# Altium PCB PCB.PcbDoc (part 2 of 2) (continued)
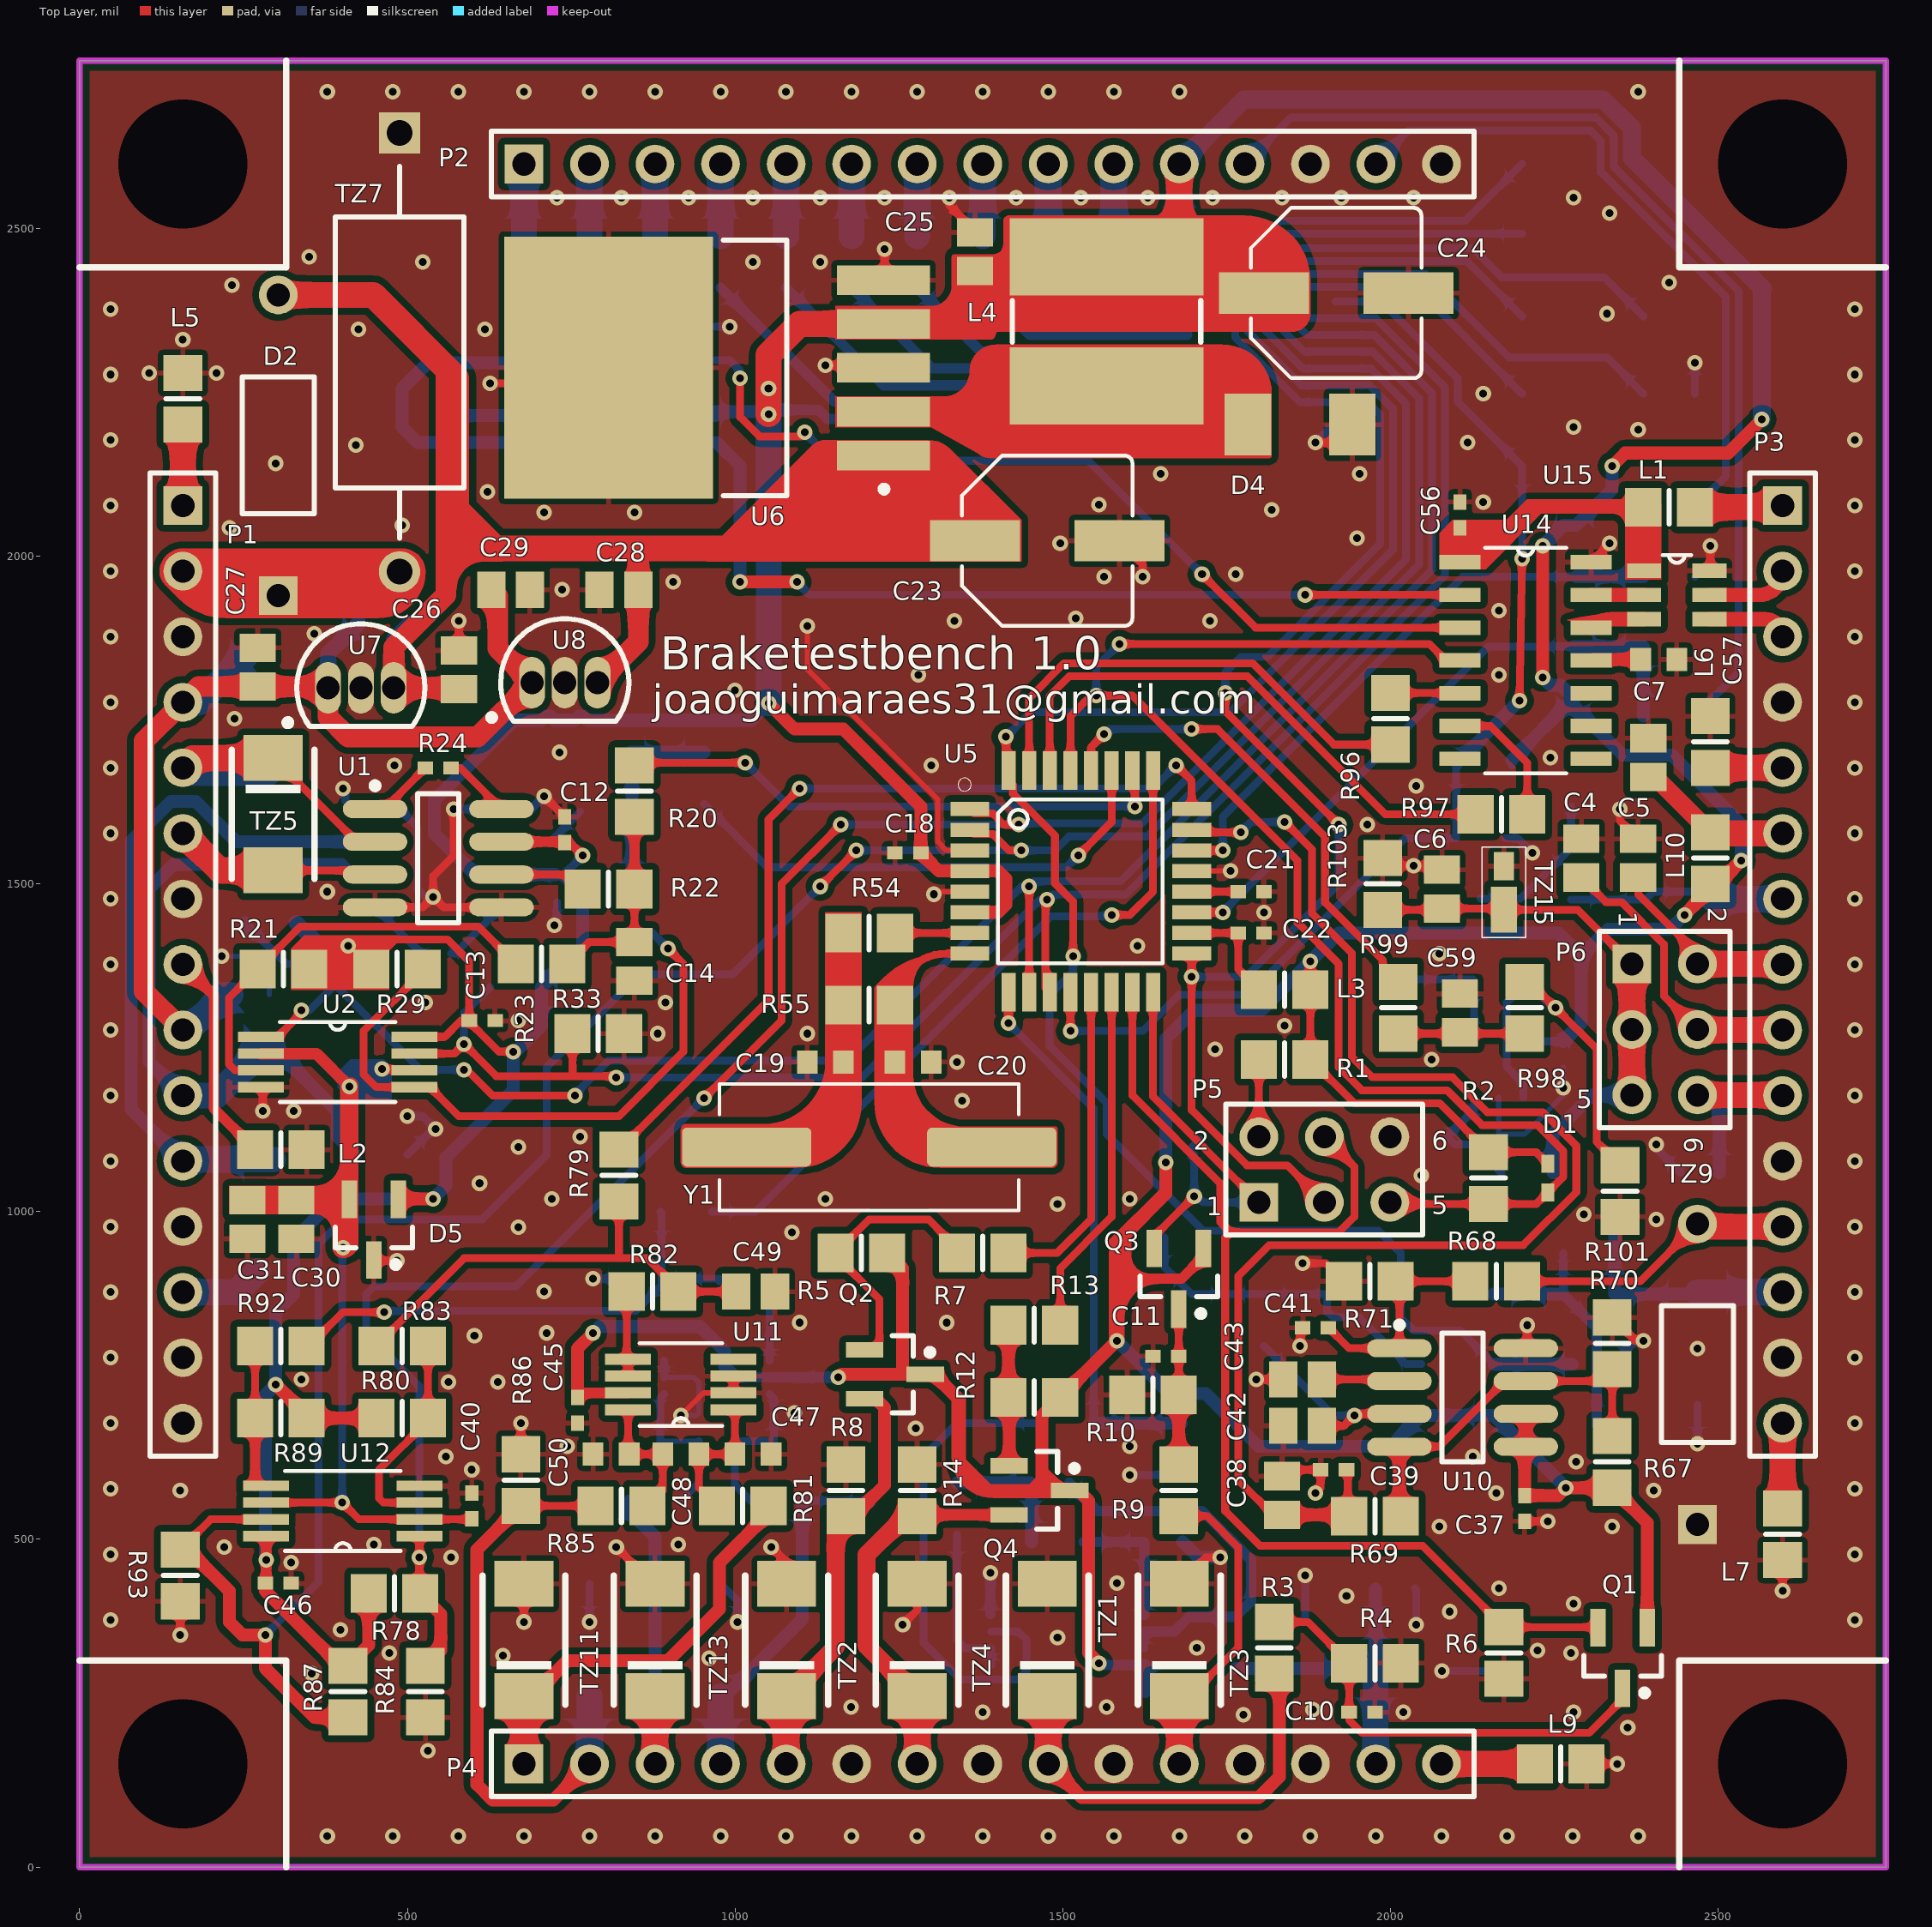
[diagram p0: Top Layer view]
## Nets (pads, with @x,y where several pads share a name; then routed paths per layer and width w, separated by ;. In a path a pad name is that pad's centre, name@x,y a point inside that pad or via, vN(x,y) a via of type N, cw(c..) or ccw(c..) an arc to the next point about the centre after c; other vN are vias at no path point) (continued)
  Bottom Layer w39.37: TZ10.C@2468.5,877.05 P3.13@2598.31,877.05
NetP4_1: P4.1 R81.1 TZ11.C | length 645.2
  Top Layer w11.81: TZ11.C@677.95,260.75 TZ11.C@689.88,260.75
  Top Layer w19.68: TZ11.C@689.88,260.75 744.09,314.96 897.64,314.96 976.38,393.7 976.38,464.57 1051.18,539.37 R81.1@1051.18,551.18
  Top Layer w39.37: P4.1@677.95,157.48 TZ11.C@677.95,260.75
NetP4_2: P4.2 R85.1 R86.2 TZ12.A | length 874.6
  Top Layer w11.81: R86.2@673.23,551.18 R85.1@787.4,551.18
  Top Layer w19.68: R86.2@673.23,551.18 606.3,484.25 606.3,125.98 629.92,102.36 722.83,102.36 P4.2@777.95,157.48
  Bottom Layer w39.37: P4.2@777.95,157.48 TZ12.A@777.95,260.75
NetP4_3: P4.3 R90.1 TZ13.C | length 521.2
  Top Layer w39.37: P4.3@877.95,157.48 TZ13.C@877.95,260.75
  Bottom Layer w19.68: R90.1@838.58,559.06 838.58,543.31 877.95,503.94 P4.3@877.95,157.48
NetP4_4: P4.4 R94.1 R95.2 TZ14.A | length 565.3
  Bottom Layer w11.81: TZ14.A@977.95,260.75 TZ14.A@985.16,260.75 ; R94.1@1102.36,559.06 1204.72,559.06 R95.2@1208.66,555.12
  Bottom Layer w19.68: TZ14.A@985.16,260.75 1102.36,377.95 R94.1@1102.36,559.06
  Bottom Layer w39.37: P4.4@977.95,157.48 TZ14.A@977.95,260.75
NetP4_5: P4.5 Q2.2 R8.2 TZ2.C | length 650
  Top Layer w11.81: P4.5@1077.95,157.48 ccw(c1077.95,158.27) P4.5@1078.74,158.27 ; TZ2.C@1077.95,259.96 TZ2.C@1078.74,260.75 ; R8.2@1153.54,519.68 R8.2@1169.29,535.43 R8.2@1181.1,535.43 ; Q2.2@1197.83,714.57 Q2.2@1214.57,714.57
  Top Layer w19.68: R8.2@1181.1,535.43 1228.35,582.68 1228.35,700.79 Q2.2@1214.57,714.57
  Top Layer w27.56: TZ2.C@1078.74,260.75 1153.54,335.55 R8.2@1153.54,519.68
  Top Layer w39.37: P4.5@1077.95,157.48 TZ2.C@1077.95,259.96
NetP4_7: P4.7 Q4.2 R14.2 TZ4.C | length 593.6
  Top Layer w17.72: R14.2@1277.95,535.43 1279.92,537.4 Q4.2@1418.31,537.4
  Top Layer w27.56: TZ4.C@1277.95,260.75 1200.91,337.79 1200.91,476.5 1259.84,535.43 R14.2@1277.95,535.43
  Top Layer w39.37: P4.7@1277.95,157.48 TZ4.C@1277.95,260.75
NetP4_9: P4.9 R3.1 TZ1.C | length 660.5
  Top Layer w11.81: TZ1.C@1477.95,259.17 TZ1.C@1476.38,260.75 TZ1.C@1485.16,260.75
  Top Layer w19.68: P4.9@1477.95,157.48 1529.13,106.3 1799.21,106.3 1830.68,137.76 1830.58,137.86 1830.58,177.1 1830.71,177.23 1830.71,287.4 R3.1@1822.83,295.28
  Top Layer w39.37: P4.9@1477.95,157.48 TZ1.C@1477.95,259.17
NetP4_11: P4.11 R9.1 TZ3.C | length 487.3
  Top Layer w11.81: R9.1@1677.17,535.43 1720.47,535.43 1767.72,488.19 1767.72,334.65 1693.82,260.75 TZ3.C@1677.95,260.75
  Top Layer w39.37: P4.11@1677.95,157.48 TZ3.C@1677.95,260.75
NetP5_1: P5.1 Q3.2 R11.2 U5.16 | length 691.1
  Top Layer w11.81: U5.16@1637.8,1334.65 1637.8,1175.59 P5.1@1799.21,1014.17 ; Q3.2@1639.76,943.9 1639.76,962.6 v1(1700.78,1023.62)
  Bottom Layer w11.81: R11.2@1708.66,1110.24 1692.91,1094.49 1700.78,1086.62 v1(1700.78,1023.62) 1704.73,1023.62 1712.6,1015.75 1714.17,1014.17 P5.1@1799.21,1014.17
NetP5_2: P5.2 R1.1 | length 118.1
  Top Layer w11.81: P5.2@1799.21,1114.17 R1.1@1799.21,1232.28
NetP5_3: P5.3 R48.2 U4.7 U5.17 | length 2572.7
  Top Layer w11.81: U5.17@1696.85,1393.7 1696.85,1155.11 1781.22,1070.74 1842.65,1070.74 P5.3@1899.21,1014.17 ; v1(1748.04,1791.34) 1748.04,1763.78 v1(1921.26,1590.55)
  Bottom Layer w11.81: v1(1696.85,1358.27) 1779.53,1358.27 1921.26,1500 v1(1921.26,1590.55) ; v1(1748.04,1791.34) 1748.04,1822.83 1771.53,1846.33 1811.83,1846.33 1984.25,2018.75 1984.25,2216.54 1965.55,2235.24 U4.7@1916.15,2235.24 1861.82,2235.24 1763.15,2333.9 1763.15,2442.53 1832.56,2511.94 2114.3,2511.94 R48.2@2200.79,2598.43
NetP5_4: P5.4 Q1.2 R6.2 U5.15 | length 1839.1
  Top Layer w11.81: U5.15@1606.3,1334.65 1606.3,1177.17 1740.16,1043.31 1740.16,984.25 1755.91,968.5 ; P5.4@1899.21,1114.17 1944.88,1068.5 1944.88,992.13 1921.26,968.5 1755.91,968.5 ; Q1.2@2316.93,365.16 2315.94,366.14 R6.2@2173.23,366.14 2049.07,490.3 1801.04,490.3 1747.91,543.43 1747.91,960.5 1755.91,968.5
NetQ2_3: Q2.3 R5.1 R7.2 | length 430.1
  Top Layer w11.81: Q2.3@1197.83,789.37 1220.47,789.37 1220.47,866.14 1153.54,933.07 R5.1@1153.54,937.01 1204.72,988.19 1295.28,988.19 1338.58,944.88 R7.2@1338.58,937.01
NetQ4_3: Q4.3 R12.1 R13.2 | length 215
  Top Layer w11.81: R12.1@1417.32,716.54 R12.1@1418.31,715.55
  Top Layer w19.68: R12.1@1417.32,716.54 R13.2@1417.32,826.77 ; Q4.3@1418.31,612.2 R12.1@1418.31,715.55
NetQ5_2: Q5.2 R51.1 U14.3 | length 1452
  Top Layer w11.81: v1(1007.87,2271.65) 1007.87,2212.36 1037.28,2182.94 1100.27,2182.94 v1(1106.3,2188.98) ; v1(1712.6,1972.44) 1794.09,1890.94 U14.3@2106.3,1890.94
  Bottom Layer w11.81: Q5.2@874.02,2299.21 R51.1@948.82,2299.21 992.13,2299.21 1007.87,2283.46 v1(1007.87,2271.65) ; v1@1102.36,2188.98 v1(1106.3,2188.98) 1149.61,2145.67 1539.37,2145.67 v1(1712.6,1972.44)
NetQ5_3: Q5.3 R50.1 | length 206.6
  Bottom Layer w19.68: Q5.3@874.02,2261.81 872.17,2263.65 841.03,2263.65 830.58,2274.11 830.58,2305.24 826.77,2309.06 826.77,2358.27 R50.1@877.95,2409.45
NetQ5_5: Q5.5 R52.1 U14.2 | length 2192.7
  Top Layer w11.81: v1(1870.08,1940.94) U14.2@2106.3,1940.94
  Top Layer w19.68: v1(1007.87,1960.63) v1(1094.49,1960.63)
  Bottom Layer w11.81: v1(1094.49,1960.63) 1114.17,1940.94 v1(1870.08,1940.94)
  Bottom Layer w19.68: Q5.5@783.46,2295.28 555.12,2295.28 535.43,2299.21 492.13,2255.91 492.13,2196.85 515.75,2173.23 972.44,2173.23 1007.87,2137.8 v1(1007.87,1960.63)
NetQ5_6: Q5.6 R49.1 | length 77.4
  Bottom Layer w11.81: R49.1@777.95,2409.45 R49.1@779.53,2407.87
  Bottom Layer w27.56: Q5.6@779.53,2332.68 R49.1@779.53,2407.87
NetQ6_3: Q6.3 R47.2 R74.1 U4.6 U5.32 | length 3340.6
  Top Layer w11.81: v1(1413.39,1724.41) 1413.39,1661.42 1424.09,1650.72 1424.09,1637.94 1488.19,1573.84 1488.19,1500.93 1515.75,1473.37 v1(1515.75,1389.76)
  Bottom Layer w11.81: v1(1413.39,1724.41) 1450.91,1761.93 1540.28,1761.93 1540.53,1761.69 1561.83,1761.69 1562.08,1761.93 1707.5,1761.93 1707.75,1761.69 1755.2,1761.69 2004.06,2010.54 2004.06,2224.74 1967.98,2260.83 U4.6@1916.15,2260.83 1864.24,2260.83 1782.96,2342.11 1782.96,2434.32 1840.76,2492.13 R47.2@2200.79,2492.13 ; v1(1515.75,1389.76) 1515.75,1366.14 1480.32,1330.71 1480.32,1252.43 1567.06,1165.69 1567.06,1117.98 1714.3,970.74 1982.02,970.74 2015.75,937.01 2015.75,838.58 2035.43,818.9 2106.3,818.9 R74.1@2157.48,767.72 R74.1@2158.46,766.73
  Bottom Layer w19.68: R74.1@2158.46,766.73 Q6.3@2277.56,766.73
NetQ7_3: Q7.3 R42.2 R105.1 U4.1 U5.12 | length 1786.2
  Top Layer w11.81: v1(1511.81,1275.59) U5.12@1511.81,1334.65 ; v1(2196.85,1779.53) v1(2200.79,1996.06)
  Bottom Layer w11.81: v1(1511.81,1275.59) 1622.05,1275.59 1677.17,1330.71 1783.46,1330.71 2022.64,1569.88 Q7.3@2100.39,1569.88 2100.39,1675.2 R105.1@2102.36,1685.04 ; U4.1@1916.15,2388.78 1985.24,2388.78 2103.12,2270.9 2103.12,2235.46 R42.2@2200.79,2137.8 v1(2200.79,1996.06)
  Bottom Layer w19.68: R105.1@2102.36,1685.04 v1(2196.85,1779.53)
NetR7_1: R7.1 U5.13 | length 493.4
  Top Layer w11.81: R7.1@1417.32,937.01 1491.67,937.01 1543.31,988.65 U5.13@1543.31,1334.65
NetR13_1: R13.1 U5.14 | length 540.5
  Top Layer w11.81: R13.1@1496.06,826.77 1496.06,913.39 1574.8,992.13 U5.14@1574.8,1334.65
NetR15_2: R15.2 R16.2 R57.1 U5.19 | length 963.2
  Top Layer w11.81: U5.19@1696.85,1456.69 v1(1744.09,1456.69)
  Bottom Layer w11.81: v1(1744.09,1456.69) 2149.61,1862.2 R57.1@2279.53,1862.2
  Bottom Layer w19.68: R57.1@2279.53,1862.2 R16.2@2385.83,1862.2 R15.2@2385.83,1755.91
NetR17_1: R17.1 R18.2 R59.1 U5.22 | length 998.1
  Top Layer w11.81: U5.22@1696.85,1551.18 v1(1744.09,1551.18)
  Bottom Layer w11.81: v1(1744.09,1551.18) 1744.09,1602.36 2110.24,1968.5 R59.1@2283.46,1968.5
  Bottom Layer w19.68: R59.1@2283.46,1968.5 R18.2@2385.83,1968.5 R17.1@2385.83,2074.8
NetR19_2: R19.2 R25.1 R44.2 U2.1 U4.3 U5.10 | length 3785.8
  Top Layer w11.81: U2.1@276.7,1266.73 302.17,1266.73 338.58,1303.15 v1(338.58,1307.09) ; v1(586.61,1216.54) 590.55,1216.54 629.92,1177.17 v1(755.91,1177.17) ; U5.10@1448.82,1334.65 v1(1448.82,1496.06)
  Bottom Layer w11.81: R19.2@251.97,1440.94 314.96,1377.95 358.27,1377.95 R25.1@389.76,1346.46 ; v1(338.58,1307.09) 350.39,1307.09 R25.1@389.76,1346.46 ; v1(586.61,1216.54) 519.69,1216.54 R25.1@389.76,1346.46 ; v1(755.91,1177.17) 755.91,1179.26 807.09,1230.44 1171.39,1230.44 1437,1496.06 v1(1448.82,1496.06) 1456.69,1503.94 1588.47,1503.94 2063.5,1978.97 2063.5,2249.36 1975.26,2337.6 U4.3@1916.15,2337.6 1872.65,2337.6 1842.39,2367.85 1842.39,2409.71 1863.18,2430.5 2053.76,2430.5 2181.1,2303.15 2330.71,2303.15 R44.2@2385.83,2248.03
  Bottom Layer w19.68: R19.2@251.97,1429.13 R19.2@251.97,1440.94
NetR20_2: R20.2 U5.26 | length 849.9
  Top Layer w11.81: R20.2@846.46,1681.1 850.39,1685.04 v1(1015.75,1685.04) ; U5.26@1606.3,1673.23 1610.24,1669.29 v1(1610.24,1618.11)
  Bottom Layer w11.81: v1(1015.75,1685.04) 1082.68,1618.11 v1(1610.24,1618.11)
NetR21_2: R21.2 R23.1 U2.3 | length 672.3
  Top Layer w11.81: U2.3@276.7,1215.55 237.2,1215.55 227.8,1224.96 227.8,1326.22 336.74,1435.17 608.14,1435.17 R23.1@665.35,1377.95 R23.1@653.54,1377.95
NetR22_1: R22.1 U1.6 | length 133.2
  Top Layer w11.81: U1.6@643.7,1514.37 745.47,1514.37 R22.1@767.72,1492.13
NetR24_1: R24.1 U1.8 | length 102.8
  Top Layer w11.81: R24.1@566.93,1677.17 580.91,1677.17 U1.8@643.7,1614.37
NetR24_2: R24.2 U1.1 | length 102.8
  Top Layer w11.81: U1.1@450.79,1614.37 464.76,1614.37 R24.2@527.56,1677.17
NetR27_2: R27.2 R33.1 R43.2 U2.7 U4.2 U5.11 | length 3222.9
  Top Layer w11.81: U2.7@510.7,1241.14 571.85,1241.14 v1(586.61,1255.9) 635.7,1206.82 751.97,1206.82 ; R33.1@751.97,1271.65 751.97,1206.82 ; v1(818.9,1204.72) 816.8,1206.82 751.97,1206.82 ; v1(1476.38,1476.38) 1473.55,1473.55 1473.55,1341.41 U5.11@1480.32,1334.65
  Bottom Layer w11.81: v1(586.61,1255.9) 586.61,1303.15 R27.2@625.98,1342.52 ; v1(818.9,1204.72) 1193.85,1204.72 1465.5,1476.38 v1(1476.38,1476.38) 1484.13,1484.13 1596.67,1484.13 2083.31,1970.76 2083.31,2257.56 1977.68,2363.19 U4.2@1916.15,2363.19 1875.07,2363.19 1862.2,2376.06 1862.2,2401.5 1871.39,2410.68 2038.13,2410.68 R43.2@2200.79,2248.03
NetR28_2: R28.2 U5.27 | length 769.4
  Top Layer w11.81: v1(1523.62,1543.31) 1574.8,1594.49 U5.27@1574.8,1673.23
  Bottom Layer w11.81: R28.2@952.76,1622.05 1049.34,1525.46 1505.78,1525.46 v1(1523.62,1543.31)
NetR29_2: R29.2 R31.1 U2.5 | length 985.6
  Top Layer w11.81: R29.2@523.62,1370.08 523.62,1366.14 433.07,1275.59 433.07,1209.6 439.1,1203.57 452.71,1189.96 U2.5@510.7,1189.96 534.45,1189.96 578.74,1145.67 822.83,1145.67 921.26,1244.09 921.26,1377.95 v1(897.64,1401.58)
  Bottom Layer w11.81: R31.1@842.52,1425.2 874.02,1425.2 v1(897.64,1401.58)
NetR30_1: R30.1 U3.6 | length 139.1
  Bottom Layer w11.81: U3.6@643.7,1564.37 717.91,1564.37 R30.1@763.78,1610.24
NetR32_1: R32.1 U3.8 | length 106
  Bottom Layer w11.81: R32.1@566.93,1393.7 573.03,1393.7 U3.8@643.7,1464.37
NetR32_2: R32.2 U3.1 | length 106
  Bottom Layer w11.81: U3.1@450.79,1464.37 521.46,1393.7 R32.2@527.56,1393.7
NetR35_1: R35.1 U4.10 | length 784.4
  Bottom Layer w11.81: U4.10@1688.91,2236.47 U4.10@1690.15,2235.24
  Bottom Layer w15.75: R35.1@977.95,2409.45 1150.93,2236.47 U4.10@1688.91,2236.47
NetR36_1: R36.1 U4.11 | length 673.8
  Bottom Layer w15.75: R36.1@1077.95,2409.45 1226.57,2260.83 U4.11@1690.15,2260.83
NetR37_1: R37.1 U4.12 | length 563.2
  Bottom Layer w15.75: R37.1@1177.95,2409.45 1300.98,2286.42 U4.12@1690.15,2286.42
NetR38_1: R38.1 U4.13 | length 452.6
  Bottom Layer w15.75: R38.1@1277.95,2409.45 1375.39,2312.01 U4.13@1690.15,2312.01
NetR39_1: R39.1 U4.14 | length 342
  Bottom Layer w15.75: R39.1@1377.95,2409.45 1449.8,2337.6 U4.14@1690.15,2337.6
NetR40_1: R40.1 U4.15 | length 231.4
  Bottom Layer w15.75: R40.1@1477.95,2409.45 1524.21,2363.19 U4.15@1690.15,2363.19
NetR41_1: R41.1 U4.16 | length 120.8
  Bottom Layer w11.81: R41.1@1577.95,2409.45 1598.62,2388.78 U4.16@1690.15,2388.78
NetR45_2: R45.2 R87.2 R93.1 U4.4 U5.2 U12.7 | length 4489.6
  Top Layer w11.81: R93.1@153.54,484.25 199.8,530.51 U12.7@284.57,530.51 U12.7@283.59,531.5 ; v1(1129.92,1496.06) v1(1185.04,1551.18) ; U5.2@1358.27,1582.68 1365.03,1575.91 1393.56,1575.91 1418.29,1551.18 v1(1437.01,1551.18)
  Top Layer w19.68: R93.1@153.54,484.25 165.35,484.25 228.35,421.26 228.35,374.02 248.03,354.33 v1(283.46,354.33) 283.46,303.15 358.27,228.35 R87.2@409.45,228.35
  Bottom Layer w11.81: v1(283.46,354.33) 364.3,435.17 364.3,950.46 402.03,988.19 614.17,988.19 712.6,1086.61 712.6,1220.47 854.33,1362.2 996.06,1362.2 v1(1129.92,1496.06) ; v1(1185.04,1551.18) v1(1437.01,1551.18) 1488.19,1551.18 1509.59,1572.58 1629.09,1572.58 2043.68,1987.17 2043.68,2241.15 1972.83,2312.01 U4.4@1916.15,2312.01 1869.09,2312.01 1822.58,2358.52 1822.58,2417.91 1854.98,2450.31 2117.08,2450.31 2117.08,2449.85 R45.2@2200.79,2366.14
NetR46_2: R46.2 R78.2 R84.1 U4.5 U5.1 U12.1 | length 4143.2
  Top Layer w11.81: U12.1@518.57,504.92 v1(518.57,472.44) 518.57,418.43 R78.2@519.68,417.32 ; v1(952.76,1173.23) 1070.99,1291.46 1070.99,1500.13 v1(1161.42,1590.55) ; U5.1@1358.27,1614.17 1365.03,1607.41 1393.56,1607.41 1401.7,1599.26 1401.7,1598.3 1409.45,1590.55 v1(1433.07,1590.55)
  Top Layer w19.68: R78.2@519.68,417.32 551.18,385.83 551.18,330.71 R84.1@527.56,307.09
  Bottom Layer w11.81: v1(518.57,472.44) 518.57,733.39 437.01,814.96 437.01,874.02 448.82,885.83 665.35,885.83 v1(952.76,1173.23) ; v1(1161.42,1590.55) v1(1433.07,1590.55) 1434.91,1592.39 1508.32,1592.39 1508.7,1592.77 1546.42,1592.77 1546.8,1592.39 1620.89,1592.39 2023.87,1995.38 2023.87,2232.95 1970.4,2286.42 U4.5@1916.15,2286.42 1866.67,2286.42 1802.77,2350.31 1802.77,2426.12 1846.77,2470.12 2125.29,2470.12 2169.29,2426.11 2169.29,2425.65 2326.31,2425.65 R46.2@2385.83,2366.14
NetR54_1: R54.1 U5.7 | length 114.2
  Top Layer w11.81: R54.1@1244.09,1425.2 U5.7@1358.27,1425.2
NetR62_1: R62.1 U9.1 U9.2 | length 244.6
  Bottom Layer w11.81: R62.1@1338.58,507.87 1338.58,346.46 1351.38,333.66 U9.2@1390.87,333.66 U9.1@1390.87,308.07
NetR64_1: R64.1 R66.2 U5.9 | length 845.2
  Top Layer w11.81: v1(1417.32,1287.4) U5.9@1417.32,1334.65
  Bottom Layer w11.81: v1(1417.32,1287.4) 1547.24,1157.48 R64.1@1547.24,677.17
  Bottom Layer w19.68: R64.1@1547.24,677.17 R66.2@1681.1,677.17
NetR64_2: R64.2 U9.3 | length 778.4
  Bottom Layer w11.81: U9.3@1390.87,359.25 1432.09,359.25 1444.88,346.46 1444.88,299.41 1431.63,286.17 1343.76,286.17 1287.4,342.52 1287.4,625.98 1338.58,677.17 R64.2@1468.5,677.17
NetR67_1: R67.1 R69.1 R70.2 U10.4 U10.7 | length 579.2
  Top Layer w11.81: R69.1@2013.78,541.34 R69.1@2015.75,539.37 ; U10.4@2013.78,641.54 2074.61,641.54 2174.61,741.54 U10.7@2206.69,741.54 2320.28,741.54 R70.2@2338.58,759.84 R67.1@2338.58,657.48
  Top Layer w19.68: R69.1@2013.78,541.34 U10.4@2013.78,641.54
NetR79_1: R79.1 U5.24 | length 1331.5
  Top Layer w11.81: R79.1@822.83,1094.49 1051.18,1322.83 1051.18,1598.43 v1(1098.43,1645.67) ; v1(1673.23,1681.1) 1696.85,1657.48 U5.24@1696.85,1614.17
  Bottom Layer w11.81: v1(1098.43,1645.67) 1637.8,1645.67 v1(1673.23,1681.1)
NetR80_2: R80.2 R83.2 U12.3 | length 328
  Top Layer w11.81: U12.3@518.57,556.1 463.58,556.1 456.69,562.99 456.69,606.3 531.5,681.1 R80.2@531.5,685.04 R83.2@531.5,795.28
NetR82_2: R82.2 U11.5 U11.6 | length 129.8
  Top Layer w11.81: R82.2@834.65,877.95 834.65,776.78 U11.5@836.82,774.61 U11.6@836.82,749.02
NetR88_1: R88.1 U5.25 | length 1060.5
  Top Layer w11.81: v1(1574.8,1452.76) 1602.36,1452.76 1637.8,1488.19 U5.25@1637.8,1673.23
  Bottom Layer w11.81: R88.1@964.57,1000 1031.5,1000 1482.15,1450.66 1572.71,1450.66 v1(1574.8,1452.76)
NetR89_2: R89.2 R92.2 U12.5 | length 230.4
  Top Layer w11.81: U12.5@267.72,581.69 U12.5@284.57,581.69 ; R89.2@267.72,685.04 R92.2@267.72,795.28
  Top Layer w15.75: U12.5@267.72,581.69 R89.2@267.72,685.04
NetR91_2: R91.2 U13.5 U13.6 | length 125.9
  Bottom Layer w11.81: U13.6@1052.94,772.64 U13.5@1052.94,798.23 1052.94,895.46 R91.2@1055.12,897.64
NetR96_1: R96.1 U14.5 | length 106.5
  Top Layer w11.81: R96.1@2000,1791.34 2105.91,1791.34 U14.5@2106.3,1790.94
NetR96_2: R96.2 U5.31 | length 735
  Top Layer w11.81: U5.31@1448.82,1673.23 1448.82,1783.46 1502.22,1836.87 1789.58,1836.87 1913.84,1712.6 R96.2@2000,1712.6
NetR97_1: R97.1 U14.6 | length 204.3
  Top Layer w11.81: U14.6@2106.3,1740.94 2152.76,1740.94 2208.66,1685.04 R97.1@2208.66,1606.3
NetR97_2: R97.2 U5.30 | length 863.1
  Top Layer w11.81: U5.30@1480.32,1673.23 1480.32,1786.94 1510.43,1817.06 1781.37,1817.06 1992.13,1606.3 R97.2@2129.92,1606.3
NetR98_2: R98.2 R101.2 R102.2 U16.1 | length 611.8
  Top Layer w11.81: R98.2@2204.72,1350.39 2212.6,1350.39 v1(2251.97,1311.02) 2314.96,1248.03 2314.96,1106.3 R101.2@2350.39,1070.87
  Bottom Layer w11.81: U16.1@2202.76,1174.21 2202.76,1195.85 2177.17,1221.44 2177.17,1318.9 2204.72,1346.46 R102.2@2204.72,1354.33 2248.03,1311.02 v1(2251.97,1311.02)
NetR99_1: R99.1 U5.28 | length 739.7
  Top Layer w11.81: U5.28@1543.31,1673.23 1543.31,1708.66 v1(1562.99,1728.35) ; v1(1696.85,1736.22) 1736.22,1736.22 1900.34,1572.11 1900.34,1471.73 1988.19,1383.88 1988.19,1374.02 R99.1@2011.81,1350.39
  Bottom Layer w11.81: v1(1562.99,1728.35) 1570.86,1736.22 v1(1696.85,1736.22)
NetR102_1: R102.1 R104.2 U16.4 | length 198.6
  Bottom Layer w11.81: R104.2@2023.62,1354.33 R102.1@2125.98,1354.33 2127.95,1352.36 U16.4@2127.95,1258.86
NetU14_12: U14.12 U15.3 | length 84.2
  Top Layer w22.05: U14.12@2306.3,1890.94 cw(c2337.68,1859.56) 2337.68,1903.94 U15.3@2387.01,1903.94
NetU14_13: U14.13 U15.2 | length 80.7
  Top Layer w22.05: U14.13@2306.3,1940.94 U15.2@2387.01,1940.94
RST: D1.2 P5.5 R2.1 U5.29 U14.4 | length 2228.8
  Top Layer w11.81: U5.29@1511.81,1673.23 1511.81,1755.91 1543.31,1787.4 v1(1551.18,1787.4) 1606.3,1787.4 1858.27,1535.43 1858.27,1440.94 1921.26,1377.95 1921.26,1220.47 1956.57,1185.17 2086.49,1185.17 2139.64,1132.02 2224.26,1132.02 2263.91,1092.37 2263.91,1053.3 D1.2@2240.16,1029.53 2222.44,1011.81 R2.1@2149.61,1011.81 2001.57,1011.81 P5.5@1999.21,1014.17 ; v1(1586.61,1866.14) 2059.06,1866.14 2084.25,1840.94 U14.4@2106.3,1840.94
  Bottom Layer w11.81: v1(1551.18,1787.4) 1551.18,1830.71 v1(1586.61,1866.14)
Vib_X: C5.2 P3.8 P6.2 | length 429.9
  Top Layer w11.81: C5.2@2377.95,1509.84 2377.95,1484.25 2468.5,1393.7 P6.2@2468.5,1377.95 ; P3.8@2597.64,1377.95 P3.8@2598.43,1377.17
  Top Layer w39.37: P6.2@2468.5,1377.95 P3.8@2597.64,1377.95
  Bottom Layer w11.81: P3.8@2597.64,1377.95 P3.8@2598.43,1377.17
  Bottom Layer w39.37: P6.2@2468.5,1377.95 P3.8@2597.64,1377.95
Vib_Y: C4.2 P3.9 P6.4 | length 579.8
  Top Layer w11.81: C4.2@2291.34,1509.84 2328.74,1472.44 2352.74,1472.44 2417.32,1407.85 2417.32,1329.13 P6.4@2468.5,1277.95 P6.4@2469.29,1277.17
  Top Layer w39.37: P6.4@2469.29,1277.17 P3.9@2598.43,1277.17
  Bottom Layer w11.81: P6.4@2468.5,1277.95 P6.4@2469.29,1277.17
  Bottom Layer w39.37: P6.4@2469.29,1277.17 P3.9@2598.43,1277.17
Vib_Z: C3.2 P3.10 P6.6 | length 405.7
  Top Layer w11.81: P3.10@2597.64,1177.95 P3.10@2598.43,1177.17
  Top Layer w39.37: P6.6@2468.5,1177.95 P3.10@2597.64,1177.95
  Bottom Layer w11.81: P6.6@2470.47,1175.98 P6.6@2468.5,1177.95 2501.97,1177.95 ; P3.10@2597.64,1177.95 P3.10@2598.43,1177.17
  Bottom Layer w19.68: C3.2@2501.97,1059.05 2501.97,1177.95
  Bottom Layer w39.37: P6.6@2478.47,1177.95 P3.10@2597.64,1177.95
VIN: D2.1 P1.2 TZ7.2
VIN_PROT: C23.1 C26.1 C28.1 D2.2 R56.1 U6.1 U7.3 U8.3 | length 2000
  Top Layer w11.81: C26.1@576.77,1799.21 C26.1@578.74,1797.24 ; 852.36,2009.84 854.33,2011.81
  Top Layer w31.5: C26.1@576.77,1799.21 U7.3@479.13,1799.21 479.13,1861.02 559.06,1940.94 559.06,1976.38 594.49,2011.81 633.86,2011.81 ; U8.3@790.16,1807.09 852.36,1869.29 C28.1@852.36,1948.82 852.36,2009.84
  Top Layer w39.37: D2.2@303.15,2398.62 447.83,2398.62 574.8,2271.65 574.8,2070.87 633.86,2011.81 854.33,2011.81 988.19,2011.81 1129.92,2153.54 U6.1@1226.38,2153.54
  Bottom Layer w23.62: U7.3@479.13,1799.21 479.13,1872.83 R56.1@503.94,1897.64
pads on no net: D6.1 U11.4 U13.4 U14.7 U14.8 U14.9 U14.10

## Polygon pours and split planes (outlines as drawn)
GND on Bottom Layer "GND_L02_P002" (solid, remove dead copper, pour order 2): 0,0 0,2755.91 2755.91,2755.91 2755.91,0
GND on Top Layer "GND_L01_P000" (solid, remove dead copper, pour order 0): 0,2755.91 0,0 2755.91,0 2755.91,2755.91

## Keep-outs
Keep-Out Layer:
  the board outline again, w10

## Other copper
Top Layer:
  region net 5V: 322.83,1338.58 322.83,1401.57 342.52,1421.26 448.82,1421.26 472.44,1397.64 472.44,1338.58
  region net 5V: 472.44,1397.64 484.25,1409.45 488.19,1409.45 488.19,1421.26 448.82,1421.26 448.82,1397.64
  region net 5V_USB: 2145.67,1980.32 2232.28,2066.93 2362.2,2066.93 2362.2,2086.61 2208.66,2086.61 2177.17,2055.12 2094.49,2055.12 2074.8,2035.43 2074.8,1980.32
  region net 4V5_VREF: 228.35,1039.37 228.48,1039.24 358.14,1039.24 358.14,996.19 358.01,996.06 228.35,996.06
  region net NetC20_1: 1312.82,1392.7 ccw(c1312.82,1271.88) 1227.39,1357.31 1215.38,1345.3 ccw(c1222.1,1338.58) 1212.6,1338.58 1212.6,1166.93 ccw(c1312.6,1166.93) 1312.6,1066.93 1484.25,1066.93 ccw(c1484.25,1074.8) 1492.13,1074.8 1492.13,1125.98 ccw(c1488.19,1125.98) 1488.19,1129.92 1350.39,1129.92 cw(c1350.39,1208.66) 1271.65,1208.66 1271.65,1342.52 cw(c1322.83,1342.52) 1322.83,1393.7
  region net NetC19_1: 925.2,1133.86 1043.31,1133.86 ccw(c1043.31,1228.35) 1137.8,1228.35 1137.8,1456.69 1192.91,1456.69 1192.91,1165.35 cw(c1094.49,1165.35) 1094.49,1066.93 925.2,1066.93 cw(c925.2,1074.8) 917.32,1074.8 917.32,1125.98 cw(c925.2,1125.98)
  region net NetD4_2: 1153.54,2244.09 1318.9,2244.09 ccw(c1318.9,2283.46) 1358.27,2283.46 cw(c1397.64,2283.46) 1397.64,2322.83 1744.09,2322.83 cw(c1744.09,2248.03) 1818.9,2248.03 1818.9,2153.54 cw(c1814.96,2153.54) 1814.96,2149.61 1389.09,2149.61 cw(c1389.09,2176.49) 1370.08,2157.48 1299.21,2196.85 1153.54,2196.85
  region net 5V: 1153.54,2330.71 1389.76,2330.71 ccw(c1389.76,2338.58) 1397.64,2338.58 cw(c1401.57,2338.58) 1401.57,2342.52 1850.39,2342.52 ccw(c1850.39,2370.08) 1877.95,2370.08 1877.95,2419.68 ccw(c1777.95,2419.68) 1777.95,2519.68 1417.32,2519.68 ccw(c1417.32,2511.81) 1409.45,2511.81 1409.45,2476.38 cw(c1393.7,2476.38) 1393.7,2460.63 1334.65,2460.63 ccw(c1334.65,2456.69) 1330.71,2456.69 1330.71,2413.39 cw(c1299.21,2413.39) 1299.21,2381.89 1153.54,2381.89
  region net VIN_PROT: 956.69,1992.13 1437.01,1992.13 1437.01,2055.12 1328.88,2163.25 ccw(c1295.28,2129.64) 1295.28,2177.17 1137.12,2177.17 ccw(c1137.12,2150.28) 1118.11,2169.29 967.83,2019.01 ccw(c994.71,1992.13)
  region net VIN: 122.05,1976.38 ccw(c150.56,1976.38) 130.4,1956.22 151.81,1934.8 ccw(c222.52,2005.51) 222.52,1905.51 456.69,1905.51 ccw(c456.69,1976.38) 527.56,1976.38 ccw(c492.13,1976.38) 492.13,2011.81 157.48,2011.81 ccw(c157.48,1976.38)
  region net 4V5_VREF: 228.35,996.06 358.01,996.06 cw(c358.01,968.24) 385.83,968.24 385.83,944.88 ccw(c401.57,944.88) 401.57,929.13 ccw(c401.57,952.76) 425.2,952.76 425.2,1192.91 ccw(c413.39,1192.91) 413.39,1204.72 ccw(c413.39,1188.98) 397.64,1188.98 397.64,1078.74 cw(c358.14,1078.74) 358.14,1039.24 228.35,1039.24
  region net VIN_PROT: 645.67,1992.13 618.11,1992.13 ccw(c618.11,1948.82) 574.8,1948.82 543.31,1948.82 543.31,2275.59 cw(c547.24,2275.59) 547.24,2279.53 574.8,2279.53 cw(c574.8,2271.65) 582.68,2271.65 582.68,2070.87 ccw(c641.73,2070.87) 641.73,2011.81
  region net 5V_USB: 2358.27,1964.57 2358.27,2045.41 ccw(c2338.71,2045.41) 2338.71,2064.96 2338.71,2074.8 cw(c2342.65,2074.8) 2342.65,2078.74 2413.39,2078.74 2413.39,1964.57
  region net 5V: 1393.7,562.99 cw(c1393.7,625.98) 1330.71,625.98 1330.71,712.6 1342.52,712.6 1342.52,618.11 1385.83,574.8 1452.76,574.8 1468.5,590.55 1488.19,582.68 1502,566.95 1531.5,562.99
  region net 5V: 1645.67,889.76 ccw(c1645.67,838.58) 1594.49,838.58 1594.49,803.15 cw(c1582.68,803.15) 1582.68,791.34 1574.8,791.34 cw(c1574.8,795.28) 1570.87,795.28 1570.87,956.69 1649.61,1035.43 1649.61,1019.68 1594.49,964.57 1604.33,954.72 1604.33,934.36 ccw(c1633.18,934.36) 1633.18,905.51 1633.86,905.51 cw(c1633.86,893.7) 1645.67,893.7
Bottom Layer:
  region net 4V5_VREF: 413.39,1169.29 393.7,1188.98 393.7,1212.6 413.39,1232.28 464.57,1232.28 476.38,1220.47 476.38,1169.29

## Silkscreen, mask and mechanical layers (free items; w line width, h text height)
Top Overlay:
  lines w10: 0,2440.94 314.96,2440.94 314.96,2755.91 ; 314.96,0 314.96,314.96 ; 2440.94,0 2440.94,314.96 2755.91,314.96 ; 2440.94,2755.91 2440.94,2440.94 2755.91,2440.94 ; 314.96,314.96 0,314.96 314.96,314.96
  text "Braketestbench 1.0" at 885.83,1826.77 h50
  text "joaoguimaraes31@gmail.com" at 874.02,1759.84 h45
Bottom Overlay:
  lines w10: 0,314.96 314.96,314.96 314.96,0 ; 0,2440.94 314.96,2440.94 314.96,2755.91 ; 2440.94,0 2440.94,314.96 2755.91,314.96 ; 2440.94,2755.91 2440.94,2440.94 2755.91,2440.94
  text "joaoguimaraes31@gmail.com" at 2118.11,1893.7 h65
  text "Braketest / Bench 1.0" at 2003.94,1566.93 h100
Drill Drawing:
  drawing of 372 lines, arcs and shapes, not listed
  text "Layer" at 95.06,5050.73 h60
  text "Name" at 504.97,5050.73 h60
  text "Material" at 1434.72,5050.73 h60
  text "Thickness" at 2294.48,5050.73 h60
  text "Constant" at 2944.32,5050.73 h60
  text "Board Layer Stack" at 3514.18,5050.73 h60
  text "Board Layer Stack" at 4633.86,5050.73 h60
  text "1" at 95.06,4930.73 h60
  text "Top Overlay" at 504.97,4930.73 h60
  text "2" at 95.06,4810.73 h60
  text "Top Solder" at 504.97,4810.73 h60
  text "Solder Resist" at 1434.72,4810.73 h60
  text "0.015mm" at 2294.48,4810.73 h60
  text "3.5" at 2944.32,4810.73 h60
  text "3" at 95.06,4690.73 h60
  text "Top Layer" at 504.97,4690.73 h60
  text "Copper" at 1434.72,4690.73 h60
  text "0.035mm" at 2294.48,4690.73 h60
  text "4" at 95.06,4570.73 h60
  text "Dielectric 1" at 504.97,4570.73 h60
  text "FR-4" at 1434.72,4570.73 h60
  text "1.500mm" at 2294.48,4570.73 h60
  text "4.8" at 2944.32,4570.73 h60
  text "5" at 95.06,4450.73 h60
  text "Bottom Layer" at 504.97,4450.73 h60
  text "Copper" at 1434.72,4450.73 h60
  text "0.035mm" at 2294.48,4450.73 h60
  text "6" at 95.06,4330.73 h60
  text "Bottom Solder" at 504.97,4330.73 h60
  text "Solder Resist" at 1434.72,4330.73 h60
  text "0.015mm" at 2294.48,4330.73 h60
  text "3.5" at 2944.32,4330.73 h60
  text "7" at 95.06,4210.73 h60
  text "Bottom Overlay" at 504.97,4210.73 h60
  text "Symbol" at 93.56,3708.01 h72
  text "Count" at 599.44,3708.01 h72
  text "Hole Size" at 1199.28,3708.01 h72
  text "Plated" at 2348.94,3708.01 h72
  text "Hole Type" at 2854.82,3708.01 h72
  text "Drill Layer Pair" at 3588.62,3708.01 h72
  text "Via/Pad" at 5088.17,3708.01 h72
  text "Pad Shape" at 5678.02,3708.01 h72
  text "2" at 599.44,3558.01 h60
  text "1.000mm (39.37mil)" at 1199.28,3558.01 h60
  text "PTH" at 2348.94,3558.01 h60
  text "Round" at 2854.82,3558.01 h60
  text "Top Layer - Bottom Layer" at 3588.62,3558.01 h60
  text "Pad" at 5088.17,3558.01 h60
  text "(Mixed)" at 5678.02,3558.01 h60
  text "4" at 599.44,3408.01 h60
  text "5.000mm (196.85mil)" at 1199.28,3408.01 h60
  text "NPTH" at 2348.94,3408.01 h60
  text "Round" at 2854.82,3408.01 h60
  text "Top Layer - Bottom Layer" at 3588.62,3408.01 h60
  text "Pad" at 5088.17,3408.01 h60
  text "Rounded" at 5678.02,3408.01 h60
  text "82" at 599.44,3258.01 h60
  text "0.900mm (35.43mil)" at 1199.28,3258.01 h60
  text "PTH" at 2348.94,3258.01 h60
  text "Round" at 2854.82,3258.01 h60
  text "Top Layer - Bottom Layer" at 3588.62,3258.01 h60
  text "Pad" at 5088.17,3258.01 h60
  text "(Mixed)" at 5678.02,3258.01 h60
  text "349" at 599.44,3108.01 h60
  text "0.300mm (11.81mil)" at 1199.28,3108.01 h60
  text "PTH" at 2348.94,3108.01 h60
  text "Round" at 2854.82,3108.01 h60
  text "Top Layer - Bottom Layer" at 3588.62,3108.01 h60
  text "Via" at 5088.17,3108.01 h60
  text "Rounded" at 5678.02,3108.01 h60
  text "437 Total" at 599.44,2958.01 h60

## Text inside footprints (layer, text, board x,y; h text height)
P5: Top Overlay "6" at 2062.99,1094.49 h28; Top Overlay "5" at 2062.99,996.06 h28; Top Overlay "2" at 1699.21,1094.17 h28; Top Overlay "1" at 1719.21,994.17 h28
P6: Top Overlay "6" at 2448.82,1114.17 h28 r270; Top Overlay "5" at 2283.46,1157.48 h28; Top Overlay "2" at 2484.25,1464.57 h28 r270; Top Overlay "1" at 2348.5,1457.95 h28 r270